# Altium PCB PCB1.PcbDoc (part 2 of 2)
Units mil, origin at the board's own origin, x right, y up, seen from the top; angles counter-clockwise.
Board outline 6000 x 4000 mil, 2 copper layers (Top Layer, Bottom Layer); 304 components, 325 nets, 1625 pads, 430 vias.
Unrouted connection lines stored in the file: 1086.
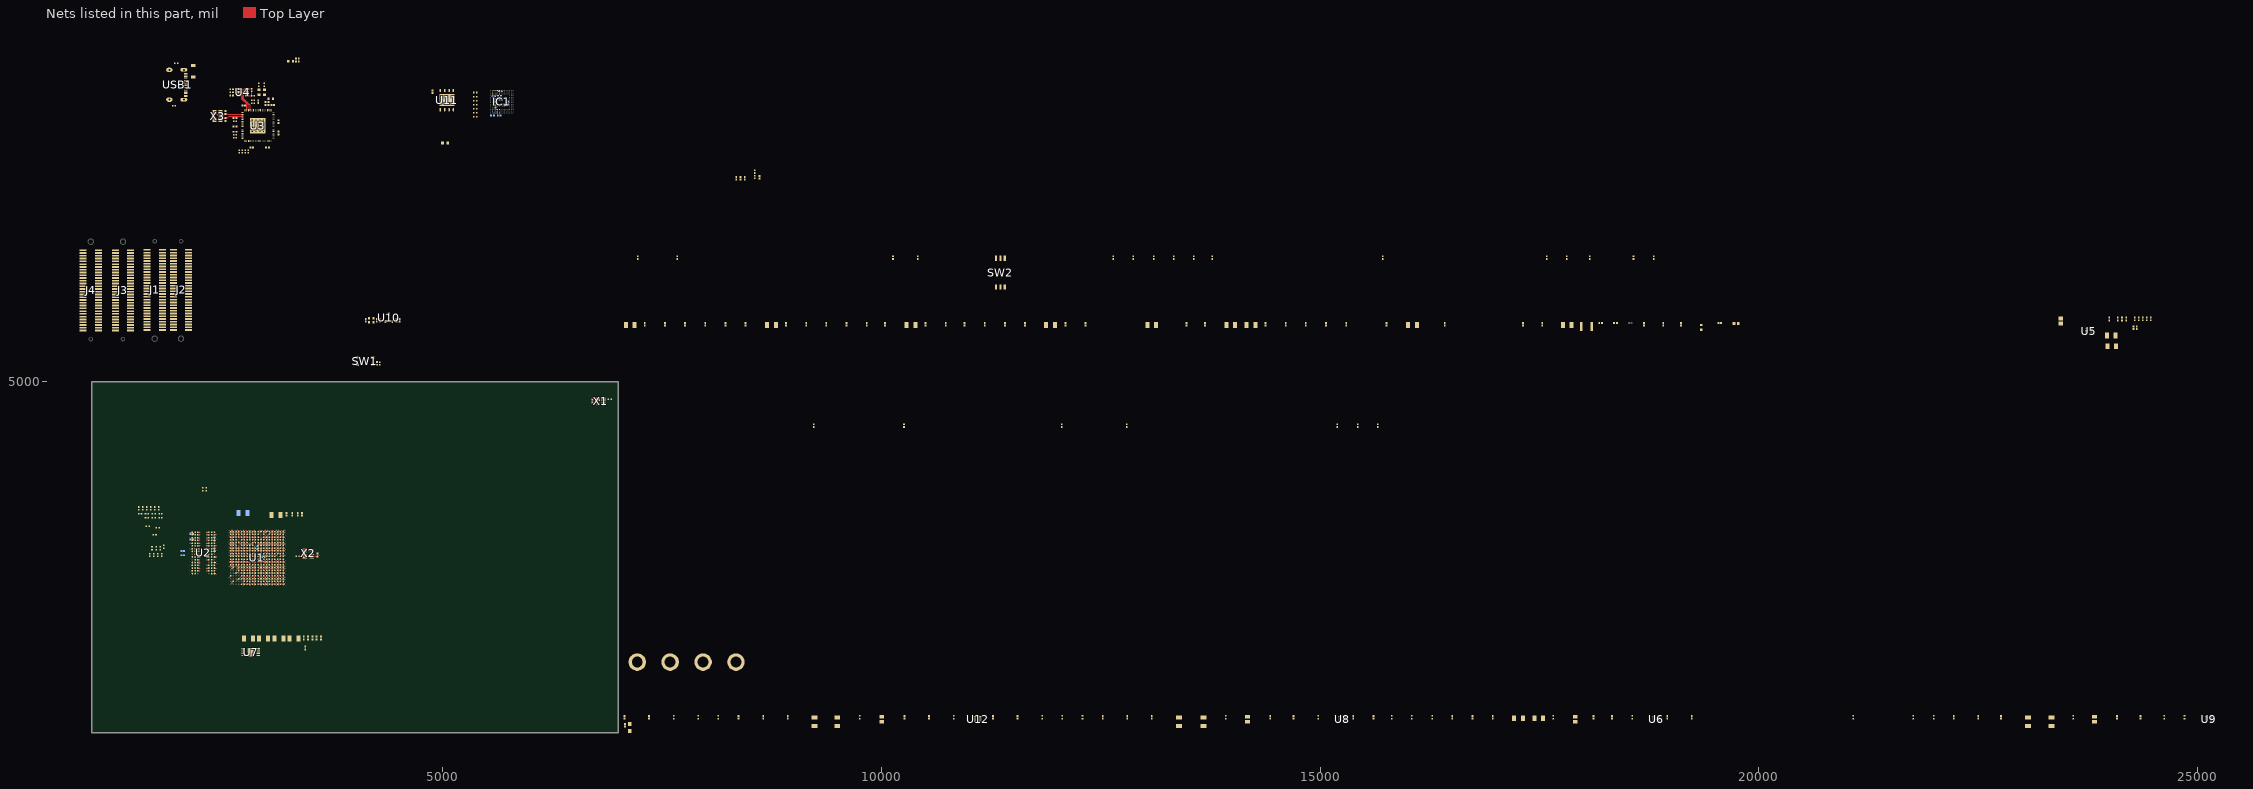
[diagram p2: the nets of this part, all layers, seen from the top]

## Part data
C1 C2 C3 C61 C68 C69 C71 C72 C75 C76 C77 C78 C79 C81 C82 C85 C86 C87 C88 C89 C90 C91 C92 C96 C97 C98 C101 C102 C105 C106 C107 C108 C109 C110 C111 C112 C113 C114 C116 C117 C120 C121 C122 C123 C124 C125 C126 C127 C128 C129 C130 C131 C132 C133 C134 C135 C136 C137 C139 C140 C143 C144 C145 C146 C147 C148 C149 C150 C151 C152 C153 C154 C155 C156 C157 C158 C159 C160 C161 C162: library part CMP-2008-04639-1, Manufacturer=Murata, Part Number=GRM155R71H104KE14D
C4 C9 C10 C11 C12 C14 C18 C19 C20 C22 C24 C25 C26 C27 C31 C35 C37 C40 C41 C42 C43 C47 C48 C49 C50 C54 C55 C56 C57 C163: library part CMP-00086-2, "Multilayer Ceramic Capacitor 0.47uF 16V 10% 0201 Paper T/R", Case/Package=0201, Max Operating Temperature=-55°C, Tolerance=10%, Voltage Rating=16V, Height=390um, Material=Ceramic, Min Operating Temperature=-55°C, RoHS Compliant=Yes, Voltage Rating (DC)=16V
C5: library part CMP-2006-02787-1, "GRM188R60G106ME47D Checked Multilayer Ceramic Capacitor, 10 uF, 4 V, ± 20%, X5R, 0603 [1608 Metric] Ceramic Capacitors 0.1", Manufacturer=Murata, Part Number=GRM188R60G106ME47D
C6: library part CMP-1662-00021-1, "GRM32ER60G337ME05L Checked / Multilayer Ceramic Capacitor, 330 uF, 4 V, ± 20%, X5R, 1210 [3225 Metric] Ceramic Capacitors 1.11", Colour=Black, Current Rating="3 A", Max Operating Temperature=105degC, Min Operating Temperature=-65degC, Package Quantity=100, ComponentLink1Description="Manufacturer URL", ComponentLink1URL=http://www.murata.com/, ComponentLink2Description=Datasheet, ComponentLink2URL=https://datasheet.ciiva.com/3776/2741grm32er71e226ke1523-3776996.pdf, Contact Finish=Gold, Contact Material=Bronze, Contact Plating=Gold, DatasheetVersion=Aug-14, Gender=Male, Height="8.13 mm", Lead Pitch="2.54 mm", Length="101.19 mm", Mount="Through Hole", PackageDescription="2-Pin Surface Mount Device, Body 3.2 x 2.5 mm", PackageReference=1210, Packaging=Tray, Pins=40, Radiation Hardening=No, REACH SVHC=Unknown, RoHSCompliant=True, Width="2.34 mm"
C7 C8 C15 C17 C28 C32 C36 C38 C44 C45 C51 C52 C58 C59: library part CMP-2008-04639-1, "GRM155R61E475ME15D  / Ceramic Capacitor, Multilayer, Ceramic, 25V, 20% +Tol, 20% -Tol, X5R, 15% TC, 4.7uF, Surface Mount, 0402 Capacitors 0.1615", Manufacturer=Murata, Part Number=GRM155R71H104KE14D
C13 C39: library part CMP-00080-1, "GRM31CR60J476KE19L Checked /  Multilayer Ceramic Capacitor, 47 uF, 6.3 V, ± 10%, X5R, 1206 [3216 Metric] Ceramic Capacitors 0.42", RoHS Compliant=Yes
C16 C21 C29 C30 C33 C34 C46 C53 C60: library part CMP-00080-1, "GRM31CR61A107MEA8K Checked  / SMD Multilayer Ceramic Capacitor, 100 µF, 10 V, 1206 [3216 Metric], ± 20%, X5R, GRM Series Ceramic Capacitors 0.58", RoHS Compliant=Yes
C23: library part CMP-2008-04639-1, "GRM155R61H474KE11D  / Multilayer Ceramic Capacitor, 0.47 uF, 50 V, ± 10%, X5R, 0402 [1005 Metric] Ceramic Capacitors 0.1", Manufacturer=Murata, Part Number=GRM155R71H104KE14D
C62 C63 C64 C65 C66 C67: library part CMP-2008-04639-1, "GRM155R71H104KE14D Checked /  Multilayer Ceramic Capacitor, 0.1 uF, 50 V, ± 10%, X7R, 0402 [1005 Metric] Ceramic Capacitors 0.1", Manufacturer=Murata, Part Number=GRM155R71H104KE14D
C70 C80 C100 C115 C138: library part CMP-2007-03222-1, "GRM21BR61E226ME44L", Manufacturer=Murata, Part Number=GRM21BR61E226ME44L
C73 C74 C83 C84 C103 C104 C118 C119 C141 C142: library part CMP-00080-1, "GCM31CR71A226KE02K / Cap, Aec-Q200, 22Uf, 10V, Mlcc, 1206 Rohs Compliant: Yes", RoHS Compliant=Yes
C93 C94 C95 C99: library part CMP-2000-05256-1, "GRM31CR61H106KA12L / CAP, Ceramic, 10 uF, 10%, 50 V, 1206, RoHS, Tape and Reel", Case Code - in=1206, Case Code - mm=3216, Case Height=1.6mm, Case Length=3.2mm, Dielectric=X5R, Manufacturer=Murata, Maximum Operating Temperature=+85C, Minimum Operating Temperature=-55C, Package / Case=1206(3216metric), Tolerance=10%, Voltage Rating DC=50V, Brand=MurataElectronics, Capacitance=10uF, Case Width=1.6mm, Datasheet URL=http://download.siliconexpert.com/pdfs/2015/11/6/15/23/32/328/mrt_/manual/2905595417290350grm31cr61h106ka1223.pdf, Datasheet Version=Nov-15, Factory Pack Quantity=2000, Manufacturer URL=http://www.murata.com/, Packaging=Reel, Product=GeneralTypeMLCCs, Product Category=MultilayerCeramicCapacitorsMLCC-SMD/SMT, RoHS=Details, Series=GRM, Termination Style=SMD/SMT, Type=GeneralPurposeMLCC
D1: library part CMP-1055-00442-1, "Schottky Power Rectifier, 2-Pin SOD-123, Pb-Free, Tape and Reel", Manufacturer="On Semiconductor", ComponentLink1Description="Manufacturer URL", ComponentLink1URL=http://www.onsemi.com/, ComponentLink2Description=Datasheet, ComponentLink2URL=http://www.onsemi.cn/pub_link/Collateral/MBR230LSFT1G.PDF, ComponentLink3Description="Package Specification", ComponentLink3URL=http://www.onsemi.cn/pub_link/Collateral/MBR120VLSFT1-D.PDF, Configuration=Single, DatasheetVersion="Rev. 0", IFSM Max (A)=40, Mounting Technology="Surface Mount", PackageDescription="2-Pin SOD, Body 1.65 x 2.7 mm", PackageReference=SOD-123FL-2-498-01, PackageVersion="Rev. A", Packing="Tape and Reel", PartNumber=MBR230LSFT1G, RoHS=TRUE
D2: library part CMP-22017-000008-1, "LED BLUE CLEAR CHIP SMD", Case Code (Imperial)=0603, Case Code (Metric)=1608, Color=Blue, Forward Current=20mA, Forward Voltage=3.8V, Lens Color=Colorless, Max Operating Temperature=80°C, Max Power Dissipation=75mW, Min Operating Temperature=-20°C, Package Quantity=1, Power Dissipation=76mW, Reverse Voltage=5V, Case/Package=0603, Depth=1.6mm, Dominant Wavelength=475nm, Height=0.55mm, Illumination Color=Blue, Lead Free="Lead Free", Length=0.8mm, Lens Style=Diffused, Lens Transparency=Clear, Luminous Intensity=180mcd, Mount="Surface Mount", Number of Elements=1, Number of LEDs=1, Number of Pins=2, Packaging="Tape and Reel", Radiation Hardening=No, Test Current=20mA, Viewing Angle=130°, Wavelength=468nm, Width=0.8mm
D3 D4: library part CMP-2000-05199-2
DS1: library part CMP-2000-06629-1, "Ultra Bright AlInGaP Chip LED, 75 mW, -30 to 85 degC, 2-Pin SMD (0604), RoHS, Tape and Reel", Emitting Color=YellowGreen, Forward Current=30mA, Forward Voltage=2.4V, Manufacturer=Lite-On, Operating Temp Range=-55Cto85C, Operating Temperature Classification=Industrial, Package Description="2-Pin Surface Mounted Device, Body 1.65 x 0.6 mm", Package Reference=LTST-S270KGKT-2, Package Type=ChipLed, Power Dissipation=75W, Power Dissipation Max=75mW, Reverse Voltage=5V, Test Current (It)=20mA, Chip Material=AlGaInP, Datasheet URL=http://optoelectronics.liteon.com/upload/download/DS22-2000-226/S_110_LTST-S270KGKT.pdf, Datasheet Version="Rev. I, 04/2012", DELETED=Compliant, Dominant Wave Length=571nm, Forward Current Max=30mA, High Brightness=Yes, Lens Dimensions=1.2X0.6X0.47mm, Lum Intensity=71mcd, Luminous Intensity=71mcd, Main Category=ChipLED, Manufacturer URL=http://www.us.liteon.com/, Mounting=SurfaceMount, Mounting Technology=SurfaceMount, Number of  Elements=1, Packaging=TapeandReel, Peak Wavelength=574nm, Pin Count=2, Product Depth (mm)=0.6mm, Product Height (mm)=1.15mm, Product Length (mm)=1.6mm, Rad Hardened=No, Shape Type=Rectangular, Type=Uni-Color, Viewing Angle=130deg
FB1 FB2 FB3 FB4 FB5: library part CMP-0686-00602-3, "Chip Ferrite Bead for Power Lines (Low DC Resistance Type), 120 Ohm, 3000 mA, -55 to 125 degC, 1.6 x 0.8 x 0.65 mm SMD, Tape and Reel", DC Resistance="0.025 Ohm Max.", Manufacturer=Murata, Operating Temperature Range="-55 to 125 degC", Rated Current="3000 mA", ComponentLink1Description="Manufacturer URL", ComponentLink1URL=http://www.murata.com/, ComponentLink2Description=Datasheet, ComponentLink2URL=http://www.murata.com/products/catalog/pdf/c31e.pdf, ComponentLink3Description="Package Specification", ComponentLink3URL=http://www.murata.com/products/catalog/pdf/c31e.pdf, DatasheetVersion=08/2013, Impedance (at 100 MHz)="120 Ohm +/- 25%", Mounting Technology="Surface Mount", PackageDescription="2-Pin Chip, Body 1.6 x 0.8 mm", PackageReference=BLM18_H650-2, Packing="Tape and Reel", PartNumber=BLM18SG121TN1D
IC1: "Integrated Circuit", Manufacturer_Name=Toshiba, Mouser Part Number=N/A, Datasheet Link=https://datasheet.lcsc.com/szlcsc/1906131632_TOSHIBA-THGBMNG5D1LBAIL_C391255.pdf, Height=0.8mm, Manufacturer_Part_Number=THGBMNG5D1LBAIL, Mouser Price/Stock=https://www.mouser.co.uk/ProductDetail/Toshiba/THGBMNG5D1LBAIL?qs=Znm5pLBrcAKyiWgFGEjr8Q%3D%3D
J1 J2 J3 J4: "Connector", Manufacturer_Name="TE Connectivity", Mouser Part Number=571-1-5177983-2, Arrow Part Number=1-5177983-2, Arrow Price/Stock=https://www.arrow.com/en/products/1-5177983-2/te-connectivity, Datasheet Link=http://www.te.com/commerce/DocumentDelivery/DDEController?Action=srchrtrv&DocNm=5177983&DocType=Customer+Drawing&DocLang=English, Manufacturer_Part_Number=1-5177983-2, Mouser Price/Stock=https://www.mouser.co.uk/ProductDetail/TE-Connectivity-AMP/1-5177983-2?qs=Xjc0wECptJC2XPkGv1w1ig%3D%3D
R1 R2 R3 R4 R5 R6 R7 R8 R9 R10 R11 R12 R13 R14 R15 R16 R17 R18 R19 R20 R21 R22 R23 R24 R25 R26 R27 R28 R29 R30 R31 R32 R33 R34 R35 R36 R37 R38 R39 R40 R41 R42 R43 R44 R45 R46 R47 R48 R49 R50 R51 R52 R53 R54 R55 R56 R57 R58 R59 R60 R61 R62 R63 R64 R65 R66 R67 R68 R69 R70 R71 R72 R73 R74 R75 R76 R77 R78 R79 R80 R81 R82 R83 R84 R85 R86 R87 R88 R89 R90 R91 R92 R93 R94 R95 R96 R97 R98 R99 R100 R101 R102 R103 R104: library part CMP-2002-00921-1, Manufacturer=Panasonic, Part Number=ERJ-2RKF40R2X
SP1 SP2 SP3 SP4: library part 铜柱加头小焊盘, "铜柱", BOM名称=铜柱, 联系下单店铺卖家 免费技术支持="联系下单店铺卖家 免费帮你查找封装"
SW1: library part "SW SMD-3*4*2.5", "贴片4脚轻触开关", 联系下单店铺卖家 免费技术支持="联系下单店铺卖家 免费帮你查找封装"
SW2: "3路拨码开关", BOM名称=3路拨码开关, 联系下单店铺卖家 免费技术支持="联系下单店铺卖家 免费帮你查找封装"
U1: library part CMP-0363-00002-3, "667 MHz Zynq™-7000 AP SoC, 130 PS I/O, 125 FPGA I/O, 400-Ball BGA, Speed Grade 1, Commercial Grade, Pb-Free", Generic Part Number=XC7Z020, Code_JEDEC=MO-275-MMAA-1, ComponentLink1Description=Datasheet, ComponentLink1URL=http://www.xilinx.com/support/documentation/data_sheets/ds190-Zynq-7000-Overview.pdf, ComponentLink2Description="Package Specification", ComponentLink2URL=http://www.xilinx.com/support/documentation/user_guides/ug865-Zynq-7000-Pkg-Pinout.pdf, ComponentLink3Description="DC and AC Switching Characteristics", ComponentLink3URL=http://www.xilinx.com/support/documentation/data_sheets/ds187-XC7Z010-XC7Z020-Data-Sheet.pdf, ComponentLink4Description="Package File", ComponentLink4URL=http://www.xilinx.com/support/packagefiles/z7packages/xc7z020clg400pkg.txt, ComponentLink5Description="Packaging and Pinout", ComponentLink5URL=http://www.xilinx.com/support/documentation/user_guides/ug865-Zynq-7000-Pkg-Pinout.pdf, ComponentLink6Description="PCB and Layout Guide", ComponentLink6URL=http://www.xilinx.com/support/documentation/user_guides/ug483_7Series_PCB.pdf, DatasheetVersion=v1.2, Extensible Block RAM (# 36Kb Blocks)="560 KB (140)", Flip Flops=106400, LUTs=53200, Mounting Technology="Surface Mount", PackageDescription="Wire-Bond Chip-Scale BGA, Body 17 x 17 mm, 0.8 mm Pitch", PackageReference=CLG400, PackageVersion="Rev 1.1, 09/2012", PartNumber=XC7Z020-1CLG400C, RoHS=Pb-Free, Speed Grade=-1
U2: library part CMP-2000-06775-1, "DDR3L SDRAM, 8 Meg x 16 x 8 Bank, 1.07 ns, 0 to 95 degC, 96-Ball FBGA (TW), Pb-Free", Manufacturer=Micron, Max Processing Temp=260, Maximum Operating Current=63mA, Operating Supply Voltage=1.35V, Operating Temperature=0to95C, Package Description="96-Ball Fine Pitch Ball Grid Array, Body 8 x 14 mm, Pitch 0.8 mm", Package Reference=TW-96, Address Bus Width=13Bit, Data Bus Width=16Bit, Datasheet URL=https://www.micron.com/~/media/documents/products/data-sheet/dram/ddr3/1gb_1_35v_ddr3l.pdf, Datasheet Version="Rev. K, 09/2014", Density=1Gb, Lead Finish=Tin, Manufacturer URL=http://www.micron.com/, Maximum Clock Rate=933MHz, Mounting=SurfaceMount, Mounting Technology=SurfaceMount, Number of Bits per Word=16Bit, Number of I/O Lines=16Bit, Organization=64Mx16, Screening Level=Commercial, Type=DDR3LSDRAM
U3: library part CMP-0078-00004-3, "Dual High Speed USB To Multipurpose UART/FIFO IC, 64-pin QFN, Tape and Reel", Manufacturer=FTDI, ComponentLink1Description="Manufacturer URL", ComponentLink1URL=http://www.ftdichip.com/, ComponentLink2Description=Datasheet, ComponentLink2URL=http://www.ftdichip.com/Support/Documents/DataSheets/ICs/DS_FT2232H.pdf, DatasheetVersion="ver 2.21, Jun-2012", PackageDescription="64-Pin Quad Flat No-Lead, 9 x 9 mm Body, 0.5 mm Pitch, 4.35 x 4.35 mm Exposed Pad", PackageReference=QFN64_2, PackageVersion=Jun-12, PartNumber=FT2232HQ-Reel, RevisionNote="DatasheetVersion updated to 2.21 Jun-2012"
U4: library part CMP-0162-00356-1, "2K, 128x16-bit, 2.5V Microwire Serial EEPROM, 6-Pin SOT-23, Industrial Temperature, Tape and Reel", Code_IPC=SOT26A-6, DatasheetVersion="revF, May-2008", PackageDescription="6-Lead Plastic Small Outline Transistor (OT) [SOT-23]", PackageReference=SOT-23-OT6, PackageVersion="revBB, Aug-2009"
U5 U6 U8 U9 U12: library part CMP-00056-5, "Switching Voltage Regulators 3A, 18V, 650kHz, Force CCM, Synchronous Step-Down C"
U7: library part CMP-00079-2, "2A 1.3V–6.0V DDR Memory Termination Regulator AEC-Q100 Qualified"
U10: library part CMP-0367-00158-2, "1.25 V, 50 ppm / degC, 50 uA Series (Bandgap) Voltage Reference, -40 to 125 degC, 3-pin SOT-23 (DBZ), Green (RoHS & no Sb/Br)", Manufacturer="Texas Instruments", Rating=Catalog, Temp Coeff(Max)(ppm/ degree C)=50, Temp Coeff(Typ)(ppm/ degree C)=20, Code_JEDEC=TO-236, ComponentLink1Description="Manufacturer URL", ComponentLink1URL=http://www.ti.com/, ComponentLink2Description=Datasheet, ComponentLink2URL=http://www.ti.com/general/docs/lit/getliterature.tsp?genericPartNumber=REF3012&fileType=pdf, ComponentLink3Description="Package Specification", ComponentLink3URL=http://www.ti.com/litv/pdf/mpds108a, DatasheetVersion=SBVS032F, Eco-Plan="Green (RoHS & no Sb/Br)", Initial Accuracy @ 25/deg C(%)=0.2, Iq(Max)(uA)=50, Mounting Technology="Surface Mount", PackageDescription="3-Pin Plastic Small Outline, Body 2.92 x 1.3 mm, Pitch 0.95 mm", PackageReference=DBZ0003A, PackageVersion=4203227/B, PartNumber=REF3012AIDBZT, SubFamily="Series Voltage Reference", VI(Max)(V)=5.5, VI(Min)(V)=1.8, VO(V)=1.25
U11: library part CMP-00084-1, "NOR Flash Serial (SPI, Dual SPI, Quad SPI) 3V/3.3V 128M-bit 16M x 8 6ns 8-Pin WSON EP T/R/Tray/Tube", Frequency=133MHz, Max Operating Temperature=85°C, Min Operating Temperature=-40°C, Memory Format=Non-Volatile,FLASH, Memory Size=128Mb, Mounting Technology="Surface Mount", Packaging=Rail/Tube, RoHS Compliant=Yes, Series=SpiFlash®
USB1: library part CMP-00018-3, "Type-C 母 卧贴 带定位柱 不锈钢外壳 2次模顶", 公母=母, 商品目录=USB连接器, 安装方式=卧贴, 工作温度范围=-25℃~+85℃, 标准=-, 端口数量=1, 触点数量=16P, 连接器类型=Type-C, 额定电流 - 电源=5A
X1 X2: library part XTAL-ACT-4P, "4脚有源晶振(振荡器)", BOM名称=有源晶振(振荡器), 联系下单店铺卖家 免费帮你查找封装="联系下单店铺卖家 免费技术支持"
X3: library part XTAL-4P, "4脚无源晶振(谐振器）", BOM名称=4脚无源晶振(谐振器）, 联系下单店铺卖家 免费帮你查找封装="联系下单店铺卖家 免费技术支持"

## Via types
v1: diameter 17.72, hole 11.81, Top Layer to Bottom Layer, tented both sides, 414 vias
v2: diameter 19.68, hole 7.87, Top Layer to Bottom Layer, tented both sides, 16 vias

## Nets (pads, with @x,y where several pads share a name; then routed paths per layer and width w, separated by ;. In a path a pad name is that pad's centre, name@x,y a point inside that pad or via, vN(x,y) a via of type N, cw(c..) or ccw(c..) an arc to the next point about the centre after c; other vN are vias at no path point)
0V675: C98.2 C99.2 R1.2 R2.2 R3.2 R4.2 R5.2 R6.2 R7.2 R8.2 R9.2 R10.2 R11.2 R12.2 R13.2 R14.2 R15.2 R16.2 R25.1 R26.1 R27.1 U7.2 U7.4
1V0: C6.2 C7.2 C8.2 C10.2 C11.2 C12.2 C14.2 C16.1 C17.2 C19.2 C20.2 C22.2 C34.1 C38.2 C40.2 C118.1 C119.1 C120.2 C121.2 C122.2 R72.1 R93.2 U1.G7 U1.G11 U1.G13 U1.H10 U1.H12 U1.J7 U1.J13 U1.K12 U1.L7 U1.L13 U1.M12 U1.N7 U1.N13 U1.P8 U1.P12 U1.R7 U1.R13 | length 378.6
  Top Layer w6: v1(2753.27,2835.75) U1.R7@2769.02,2851.5 ; v1(2753.27,2898.74) U1.N7@2769.02,2914.49 ; v1(2753.27,2961.73) U1.L7@2769.02,2977.48 ; v1(2753.27,3056.22) U1.J7@2769.02,3040.47 ; v1(2753.27,3119.21) U1.G7@2769.02,3103.46 ; v1(2784.76,2867.24) U1.P8@2800.51,2882.99 ; v1(2847.76,3087.72) U1.H10@2863.5,3071.97 ; U1.G11@2895,3103.46 v1(2910.75,3119.21) ; U1.P12@2926.5,2882.99 v1(2942.24,2867.24) ; U1.M12@2926.5,2945.98 v1(2942.24,2930.24) ; U1.K12@2926.5,3008.98 v1(2942.24,3024.72) ; U1.H12@2926.5,3071.97 v1(2942.24,3087.72) ; U1.R13@2957.99,2851.5 v1(2973.74,2835.75) ; U1.N13@2957.99,2914.49 v1(2973.74,2898.74) ; U1.L13@2957.99,2977.48 v1(2973.74,2961.73) ; U1.J13@2957.99,3040.47 v1(2973.74,3056.22) ; U1.G13@2957.99,3103.46 v1(2973.74,3119.21)
1V8: C13.1 C15.2 C18.2 C21.1 C23.2 C24.2 C33.1 C36.2 C37.2 C83.1 C84.1 C85.2 C86.2 C87.2 C110.2 C130.2 C131.2 C132.2 C133.2 FB1.2 FB3.1 IC1.C6 IC1.M4 IC1.N4 IC1.P3 IC1.P5 J4.59 R19.2 R60.1 R76.2 R77.2 R78.2 R79.2 R80.2 R81.2 R82.2 R91.2 R94.2 U1.A13 U1.B16 U1.D12 U1.E15 U1.F8 U1.F11 U1.G9 U1.H8 U1.J11 U1.K8 U1.L11 U1.M8 U1.N9 U1.N11 U1.P10 U1.R9 | length 356.3
  Top Layer w6: v1(2784.76,2930.24) U1.M8@2800.51,2945.98 ; v1(2784.76,3024.72) U1.K8@2800.51,3008.98 ; v1(2784.76,3087.72) U1.H8@2800.51,3071.97 ; v1(2784.76,3150.71) U1.F8@2800.51,3134.96 ; v1(2816.26,2835.75) U1.R9@2832.01,2851.5 ; v1(2816.26,2898.74) U1.N9@2832.01,2914.49 ; v1(2816.26,3119.21) U1.G9@2832.01,3103.46 ; v1(2847.76,2867.24) U1.P10@2863.5,2882.99 ; U1.N11@2895,2914.49 v1(2910.75,2898.74) ; U1.L11@2895,2977.48 v1(2910.75,2961.73) ; U1.J11@2895,3040.47 v1(2910.75,3056.22) ; U1.F11@2895,3134.96 v1(2910.75,3150.71) ; U1.D12@2926.5,3197.95 v1(2942.24,3213.7) ; U1.A13@2957.99,3292.44 v1(2973.74,3308.19) ; U1.E15@3020.98,3166.46 v1(3036.73,3182.2) ; U1.B16@3052.48,3260.94 v1(3068.23,3276.69)
1V8PLL: C4.2 C5.2 FB1.1 U1.G8 | length 22.3
  Top Layer w6: v1(2784.76,3119.21) U1.G8@2800.51,3103.46
1V35: C25.2 C26.2 C27.2 C28.2 C29.1 C31.2 C62.2 C63.2 C64.2 C65.2 C66.2 C67.2 C94.2 C95.2 C96.2 C97.2 C103.1 C104.1 C105.2 C106.2 C107.2 R29.1 R66.1 R95.2 U1.A3 U1.D2 U1.E5 U1.G1 U1.H4 U1.L3 U1.P2 U1.R5 U1.U1 U1.V4 U2.A1 U2.A8 U2.B2 U2.C1 U2.C9 U2.D2 U2.D9 U2.E9 U2.F1 U2.G7 U2.H2 U2.H9 U2.K2 U2.K8 U2.N1 U2.N9 U2.R1 U2.R9 U7.1 U7.6 | length 377.5
  Top Layer w6: v1(2121.91,2845.28) U2.R1@2144.02,2845.28 ; v1(2121.91,2908.27) U2.N1@2144.02,2908.27 ; v1(2121.91,3223.23) U2.C1@2144.02,3223.23 ; v1(2121.91,3286.22) U2.A1@2144.02,3286.22 ; v1(2310.88,3097.24) U2.G7@2332.99,3097.24 ; U2.H9@2395.98,3065.75 v1(2418.09,3065.75) ; U2.D9@2395.98,3191.73 v1(2418.09,3191.73) ; v1(2564.29,2772.76) U1.U1@2580.04,2788.5 ; v1(2564.29,3119.21) U1.G1@2580.04,3103.46 ; v1(2595.79,2867.24) U1.P2@2611.54,2882.99 ; v1(2595.79,3213.7) U1.D2@2611.54,3197.95 ; v1(2627.28,2961.73) U1.L3@2643.03,2977.48 ; v1(2627.28,3308.19) U1.A3@2643.03,3292.44 ; v1(2658.78,2741.26) U1.V4@2674.53,2757.01 ; v1(2658.78,3087.72) U1.H4@2674.53,3071.97 ; v1(2690.28,2835.75) U1.R5@2706.02,2851.5 ; v1(2690.28,3182.2) U1.E5@2706.02,3166.46
3V3: C1.2 C30.1 C32.2 C35.2 C39.1 C41.2 C42.2 C43.2 C44.2 C45.2 C46.1 C47.2 C48.2 C49.2 C50.2 C51.2 C52.2 C53.1 C54.2 C55.2 C56.2 C57.2 C58.2 C59.2 C60.1 C61.2 C89.2 C90.2 C125.2 C126.2 C127.2 C128.2 C129.2 C141.1 C142.1 C143.2 C144.2 C145.2 C148.1 C159.1 C160.1 C161.1 C162.1 C163.2 FB2.1 FB5.1 IC1.E6 IC1.F5 IC1.J10 IC1.K9 J4.58 R36.1 R37.1 R38.1 R39.2 R43.1 R44.1 R48.2 R49.2 R50.2 R55.1 R67.1 R71.1 R83.1 R84.1 R85.2 R87.1 R97.1 R98.2 U1.B6 U1.C19 U1.D7 U1.F18 U1.H14 U1.J17 U1.K6 U1.K20 U1.M6 U1.M16 U1.N6 U1.N19 U1.R6 U1.R15 U1.T6 U1.T8 U1.T18 U1.U11 U1.V14 U1.W7 U1.W17 U1.Y10 U1.Y20 U3.20 U3.31 U3.42 U3.56 U4.6 U7.5 U7.7 U11.8 X1.4 X2.4 | length 596.8
  Top Layer w6: v1(2721.77,2804.25) U1.T6@2737.52,2820 ; v1(2721.77,2835.75) U1.R6@2737.52,2851.5 ; v1(2721.77,2898.74) U1.N6@2737.52,2914.49 ; v1(2721.77,2930.24) U1.M6@2737.52,2945.98 ; v1(2721.77,3024.72) U1.K6@2737.52,3008.98 ; v1(2721.77,3276.69) U1.B6@2737.52,3260.94 ; v1(2753.27,2709.76) U1.W7@2769.02,2725.51 ; v1(2753.27,3213.7) U1.D7@2769.02,3197.95 ; v1(2784.76,2804.25) U1.T8@2800.51,2820 ; v1(2847.76,2678.27) U1.Y10@2863.5,2694.02 ; U1.U11@2895,2788.5 v1(2910.75,2772.76) ; U1.V14@2989.49,2757.01 v1(3005.24,2741.26) ; U1.H14@2989.49,3071.97 v1(3005.24,3087.72) ; U1.R15@3020.98,2851.5 v1(3036.73,2835.75) ; U1.M16@3052.48,2945.98 v1(3068.23,2930.24) ; U1.W17@3083.98,2725.51 v1(3099.72,2709.76) ; U1.J17@3083.98,3040.47 v1(3099.72,3056.22) ; U1.T18@3115.47,2820 v1(3131.22,2804.25) ; U1.F18@3115.47,3134.96 v1(3131.22,3150.71) ; U1.N19@3146.97,2914.49 v1(3162.72,2898.74) ; U1.C19@3146.97,3229.45 v1(3162.72,3245.2) ; U1.Y20@3178.46,2694.02 v1(3194.21,2678.27) ; U1.K20@3178.46,3008.98 v1(3194.21,3024.72)
  Top Layer w10: X2.4@3506.34,3011.54 3508.23,3009.65 C61.2@3570,3009.65 3589.65,3009.65 v1(3590,3010)
3V3_VP: C149.1 C150.1 C151.1 C152.1 FB2.2 U3.4 U3.9
5V0: C73.1 C74.1 C75.2 C76.2 C77.2 C80.2 C81.2 C100.2 C101.2 C115.2 C116.2 C138.2 C139.2 D1.1 R54.1 R73.2 U6.2 U8.2 U9.2 U12.2
+12: C70.2 C71.2 R53.2 U5.2
AR_RST: U1.D9 | length 22.3
  Top Layer w6: v1(2816.26,3213.7) U1.D9@2832.01,3197.95
BANK13_IO_L6: J4.10 U1.V5 | length 22.3
  Top Layer w6: v1(2690.28,2741.26) U1.V5@2706.02,2757.01
BANK13_IO_L11_N: J1.33 U1.V7 | length 22.3
  Top Layer w6: v1(2753.27,2741.26) U1.V7@2769.02,2757.01
BANK13_IO_L11_P: J1.32 U1.U7 | length 22.3
  Top Layer w6: v1(2753.27,2772.76) U1.U7@2769.02,2788.5
BANK13_IO_L12_N: J1.36 U1.U10 | length 22.3
  Top Layer w6: v1(2847.76,2772.76) U1.U10@2863.5,2788.5
BANK13_IO_L12_P: J1.35 U1.T9 | length 22.3
  Top Layer w6: v1(2816.26,2804.25) U1.T9@2832.01,2820
BANK13_IO_L13_N: J1.39 U1.Y6 | length 22.3
  Top Layer w6: v1(2721.77,2678.27) U1.Y6@2737.52,2694.02
BANK13_IO_L13_P: J1.38 U1.Y7 | length 22.3
  Top Layer w6: v1(2753.27,2678.27) U1.Y7@2769.02,2694.02
BANK13_IO_L14_N: J1.42 U1.Y8 | length 22.3
  Top Layer w6: v1(2784.76,2678.27) U1.Y8@2800.51,2694.02
BANK13_IO_L14_P: J1.41 U1.Y9 | length 22.3
  Top Layer w6: v1(2816.26,2678.27) U1.Y9@2832.01,2694.02
BANK13_IO_L15_N: J1.45 U1.W8 | length 22.3
  Top Layer w6: v1(2784.76,2709.76) U1.W8@2800.51,2725.51
BANK13_IO_L15_P: J1.44 U1.V8 | length 22.3
  Top Layer w6: v1(2784.76,2741.26) U1.V8@2800.51,2757.01
BANK13_IO_L16_N: J1.48 U1.W9 | length 22.3
  Top Layer w6: v1(2816.26,2709.76) U1.W9@2832.01,2725.51
BANK13_IO_L16_P: J1.47 U1.W10 | length 22.3
  Top Layer w6: v1(2847.76,2709.76) U1.W10@2863.5,2725.51
BANK13_IO_L17_N: J1.51 U1.U8 | length 22.3
  Top Layer w6: v1(2784.76,2772.76) U1.U8@2800.51,2788.5
BANK13_IO_L17_P: J1.50 U1.U9 | length 22.3
  Top Layer w6: v1(2816.26,2772.76) U1.U9@2832.01,2788.5
BANK13_IO_L18_N: J1.54 U1.Y11 | length 22.3
  Top Layer w6: U1.Y11@2895,2694.02 v1(2910.75,2678.27)
BANK13_IO_L18_P: J1.53 U1.W11 | length 22.3
  Top Layer w6: U1.W11@2895,2725.51 v1(2910.75,2709.76)
BANK13_IO_L19_N: J1.57 U1.U5 | length 22.3
  Top Layer w6: v1(2690.28,2772.76) U1.U5@2706.02,2788.5
BANK13_IO_L19_P: J1.56 U1.T5 | length 22.3
  Top Layer w6: v1(2690.28,2804.25) U1.T5@2706.02,2820
BANK13_IO_L20_N: J1.60 U1.Y13 | length 22.3
  Top Layer w6: U1.Y13@2957.99,2694.02 v1(2973.74,2678.27)
BANK13_IO_L20_P: J1.59 U1.Y12 | length 22.3
  Top Layer w6: U1.Y12@2926.5,2694.02 v1(2942.24,2678.27)
BANK13_IO_L21_N: J1.15 U1.V10 | length 22.3
  Top Layer w6: v1(2847.76,2741.26) U1.V10@2863.5,2757.01
BANK13_IO_L21_P: J1.14 U1.V11 | length 22.3
  Top Layer w6: U1.V11@2895,2757.01 v1(2910.75,2741.26)
BANK13_IO_L22_N: J1.18 U1.W6 | length 22.3
  Top Layer w6: v1(2721.77,2709.76) U1.W6@2737.52,2725.51
BANK13_IO_L22_P: J1.17 U1.V6 | length 22.3
  Top Layer w6: v1(2721.77,2741.26) U1.V6@2737.52,2757.01
BANK34_IO0: J4.8 U1.R19 | length 22.3
  Top Layer w6: U1.R19@3146.97,2851.5 v1(3162.72,2835.75)
BANK34_IO25: J4.9 U1.T19 | length 22.3
  Top Layer w6: U1.T19@3146.97,2820 v1(3162.72,2804.25)
BANK34_IO_L1_N: J3.33 U1.T10 | length 22.3
  Top Layer w6: v1(2847.76,2804.25) U1.T10@2863.5,2820
BANK34_IO_L1_P: J3.32 U1.T11 | length 22.3
  Top Layer w6: U1.T11@2895,2820 v1(2910.75,2804.25)
BANK34_IO_L2_N: J3.36 U1.U12 | length 22.3
  Top Layer w6: U1.U12@2926.5,2788.5 v1(2942.24,2772.76)
BANK34_IO_L2_P: J3.35 U1.T12 | length 22.3
  Top Layer w6: U1.T12@2926.5,2820 v1(2942.24,2804.25)
BANK34_IO_L3_N: J3.39 U1.V13 | length 22.3
  Top Layer w6: U1.V13@2957.99,2757.01 v1(2973.74,2741.26)
BANK34_IO_L3_P: J3.38 U1.U13 | length 22.3
  Top Layer w6: U1.U13@2957.99,2788.5 v1(2973.74,2772.76)
BANK34_IO_L4_N: J3.42 U1.W13 | length 22.3
  Top Layer w6: U1.W13@2957.99,2725.51 v1(2973.74,2709.76)
BANK34_IO_L4_P: J3.41 U1.V12 | length 22.3
  Top Layer w6: U1.V12@2926.5,2757.01 v1(2942.24,2741.26)
BANK34_IO_L5_N: J3.45 U1.T15 | length 22.3
  Top Layer w6: U1.T15@3020.98,2820 v1(3036.73,2804.25)
BANK34_IO_L5_P: J3.44 U1.T14 | length 22.3
  Top Layer w6: U1.T14@2989.49,2820 v1(3005.24,2804.25)
BANK34_IO_L6_N: J3.48 U1.R14 | length 22.3
  Top Layer w6: U1.R14@2989.49,2851.5 v1(3005.24,2835.75)
BANK34_IO_L6_P: J3.47 U1.P14 | length 22.3
  Top Layer w6: U1.P14@2989.49,2882.99 v1(3005.24,2867.24)
BANK34_IO_L7_N: J3.51 U1.Y17 | length 22.3
  Top Layer w6: U1.Y17@3083.98,2694.02 v1(3099.72,2678.27)
BANK34_IO_L7_P: J3.50 U1.Y16 | length 22.3
  Top Layer w6: U1.Y16@3052.48,2694.02 v1(3068.23,2678.27)
BANK34_IO_L8_N: J3.54 U1.Y14 | length 22.3
  Top Layer w6: U1.Y14@2989.49,2694.02 v1(3005.24,2678.27)
BANK34_IO_L8_P: J3.53 U1.W14 | length 22.3
  Top Layer w6: U1.W14@2989.49,2725.51 v1(3005.24,2709.76)
BANK34_IO_L9_N: J3.57 U1.U17 | length 22.3
  Top Layer w6: U1.U17@3083.98,2788.5 v1(3099.72,2772.76)
BANK34_IO_L9_P: J3.56 U1.T16 | length 22.3
  Top Layer w6: U1.T16@3052.48,2820 v1(3068.23,2804.25)
BANK34_IO_L10_N: J3.60 U1.W15 | length 22.3
  Top Layer w6: U1.W15@3020.98,2725.51 v1(3036.73,2709.76)
BANK34_IO_L10_P: J3.59 U1.V15 | length 22.3
  Top Layer w6: U1.V15@3020.98,2757.01 v1(3036.73,2741.26)
BANK34_IO_L11_N: J3.3 U1.U15 | length 22.3
  Top Layer w6: U1.U15@3020.98,2788.5 v1(3036.73,2772.76)
BANK34_IO_L11_P: J3.2 U1.U14 | length 22.3
  Top Layer w6: U1.U14@2989.49,2788.5 v1(3005.24,2772.76)
BANK34_IO_L12_N: J3.6 U1.U19 | length 22.3
  Top Layer w6: U1.U19@3146.97,2788.5 v1(3162.72,2772.76)
BANK34_IO_L12_P: J3.5 U1.U18 | length 22.3
  Top Layer w6: U1.U18@3115.47,2788.5 v1(3131.22,2772.76)
BANK34_IO_L13_N: J3.9 U1.P19 | length 22.3
  Top Layer w6: U1.P19@3146.97,2882.99 v1(3162.72,2867.24)
BANK34_IO_L13_P: J3.8 U1.N18 | length 22.3
  Top Layer w6: U1.N18@3115.47,2914.49 v1(3131.22,2898.74)
BANK34_IO_L14_N: J3.12 U1.P20 | length 22.3
  Top Layer w6: U1.P20@3178.46,2882.99 v1(3194.21,2867.24)
BANK34_IO_L14_P: J3.11 U1.N20 | length 22.3
  Top Layer w6: U1.N20@3178.46,2914.49 v1(3194.21,2898.74)
BANK34_IO_L15_N: J3.15 U1.U20 | length 22.3
  Top Layer w6: U1.U20@3178.46,2788.5 v1(3194.21,2772.76)
BANK34_IO_L15_P: J3.14 U1.T20 | length 22.3
  Top Layer w6: U1.T20@3178.46,2820 v1(3194.21,2804.25)
BANK34_IO_L16_N: J3.18 U1.W20 | length 22.3
  Top Layer w6: U1.W20@3178.46,2725.51 v1(3194.21,2709.76)
BANK34_IO_L16_P: J3.17 U1.V20 | length 22.3
  Top Layer w6: U1.V20@3178.46,2757.01 v1(3194.21,2741.26)
BANK34_IO_L17_N: J3.21 U1.Y19 | length 22.3
  Top Layer w6: U1.Y19@3146.97,2694.02 v1(3162.72,2678.27)
BANK34_IO_L17_P: J3.20 U1.Y18 | length 22.3
  Top Layer w6: U1.Y18@3115.47,2694.02 v1(3131.22,2678.27)
BANK34_IO_L18_N: J3.24 U1.W16 | length 22.3
  Top Layer w6: U1.W16@3052.48,2725.51 v1(3068.23,2709.76)
BANK34_IO_L18_P: J3.23 U1.V16 | length 22.3
  Top Layer w6: U1.V16@3052.48,2757.01 v1(3068.23,2741.26)
BANK34_IO_L19_N: J3.27 U1.R17 | length 22.3
  Top Layer w6: U1.R17@3083.98,2851.5 v1(3099.72,2835.75)
BANK34_IO_L19_P: J3.26 U1.R16 | length 22.3
  Top Layer w6: U1.R16@3052.48,2851.5 v1(3068.23,2835.75)
BANK34_IO_L20_N: J3.30 U1.R18 | length 22.3
  Top Layer w6: U1.R18@3115.47,2851.5 v1(3131.22,2835.75)
BANK34_IO_L20_P: J3.29 U1.T17 | length 22.3
  Top Layer w6: U1.T17@3083.98,2820 v1(3099.72,2804.25)
BANK34_IO_L21_N: J1.21 U1.V18 | length 22.3
  Top Layer w6: U1.V18@3115.47,2757.01 v1(3131.22,2741.26)
BANK34_IO_L21_P: J1.20 U1.V17 | length 22.3
  Top Layer w6: U1.V17@3083.98,2757.01 v1(3099.72,2741.26)
BANK34_IO_L22_N: J1.24 U1.W19 | length 22.3
  Top Layer w6: U1.W19@3146.97,2725.51 v1(3162.72,2709.76)
BANK34_IO_L22_P: J1.23 U1.W18 | length 22.3
  Top Layer w6: U1.W18@3115.47,2725.51 v1(3131.22,2709.76)
BANK34_IO_L23_N: J1.27 U1.P18 | length 22.3
  Top Layer w6: U1.P18@3115.47,2882.99 v1(3131.22,2867.24)
BANK34_IO_L23_P: J1.26 U1.N17 | length 22.3
  Top Layer w6: U1.N17@3083.98,2914.49 v1(3099.72,2898.74)
BANK34_IO_L24_N: J1.30 U1.P16 | length 22.3
  Top Layer w6: U1.P16@3052.48,2882.99 v1(3068.23,2867.24)
BANK34_IO_L24_P: J1.29 U1.P15 | length 22.3
  Top Layer w6: U1.P15@3020.98,2882.99 v1(3036.73,2867.24)
BANK35_IO0: J1.2 U1.G14 | length 22.3
  Top Layer w6: U1.G14@2989.49,3103.46 v1(3005.24,3119.21)
BANK35_IO_25: J1.3 U1.J15 | length 22.3
  Top Layer w6: U1.J15@3020.98,3040.47 v1(3036.73,3056.22)
BANK35_IO_L4_N: J4.12 U1.D20 | length 22.3
  Top Layer w6: U1.D20@3178.46,3197.95 v1(3194.21,3213.7)
BANK35_IO_L4_P: J4.13 U1.D19 | length 22.3
  Top Layer w6: U1.D19@3146.97,3197.95 v1(3162.72,3213.7)
BANK35_IO_L6_N: J2.54 U1.F17 | length 22.3
  Top Layer w6: U1.F17@3083.98,3134.96 v1(3099.72,3150.71)
BANK35_IO_L6_P: J2.53 U1.F16 | length 22.3
  Top Layer w6: U1.F16@3052.48,3134.96 v1(3068.23,3150.71)
BANK35_IO_L11_N: J2.57 U1.L17 | length 22.3
  Top Layer w6: U1.L17@3083.98,2977.48 v1(3099.72,2961.73)
BANK35_IO_L11_P: J2.56 U1.L16 | length 22.3
  Top Layer w6: U1.L16@3052.48,2977.48 v1(3068.23,2961.73)
BANK35_IO_L13_N: J2.60 U1.H17 | length 22.3
  Top Layer w6: U1.H17@3083.98,3071.97 v1(3099.72,3087.72)
BANK35_IO_L13_P: J2.59 U1.H16 | length 22.3
  Top Layer w6: U1.H16@3052.48,3071.97 v1(3068.23,3087.72)
BANK35_IO_L16_N: J1.12 U1.G18 | length 22.3
  Top Layer w6: U1.G18@3115.47,3103.46 v1(3131.22,3119.21)
BANK35_IO_L16_P: J1.11 U1.G17 | length 22.3
  Top Layer w6: U1.G17@3083.98,3103.46 v1(3099.72,3119.21)
BANK35_IO_L19_N: J1.8 U1.G15 | length 22.3
  Top Layer w6: U1.G15@3020.98,3103.46 v1(3036.73,3119.21)
BANK35_IO_L19_P: J1.9 U1.H15 | length 22.3
  Top Layer w6: U1.H15@3020.98,3071.97 v1(3036.73,3087.72)
BANK35_IO_L23_N: J1.6 U1.M15 | length 22.3
  Top Layer w6: U1.M15@3020.98,2945.98 v1(3036.73,2930.24)
BANK35_IO_L23_P: J1.5 U1.M14 | length 22.3
  Top Layer w6: U1.M14@2989.49,2945.98 v1(3005.24,2930.24)
DDR3_VREF: C92.2 C93.2 U1.H6 U1.P6 U2.H1 U2.M8 U7.8 | length 44.5
  Top Layer w6: v1(2721.77,2867.24) U1.P6@2737.52,2882.99 ; v1(2721.77,3087.72) U1.H6@2737.52,3071.97